# Altium PCB 28Pins_Project_V1[1_PCB..PcbDoc (part 2 of 2)
Units mm, origin at the board's own origin, x right, y up, seen from the top; angles counter-clockwise.
Board outline 71.12 x 53.34 mm, 2 copper layers (L1, L2), stack 1.671 mm thick; 106 components, 71 nets, 323 pads, 106 vias.
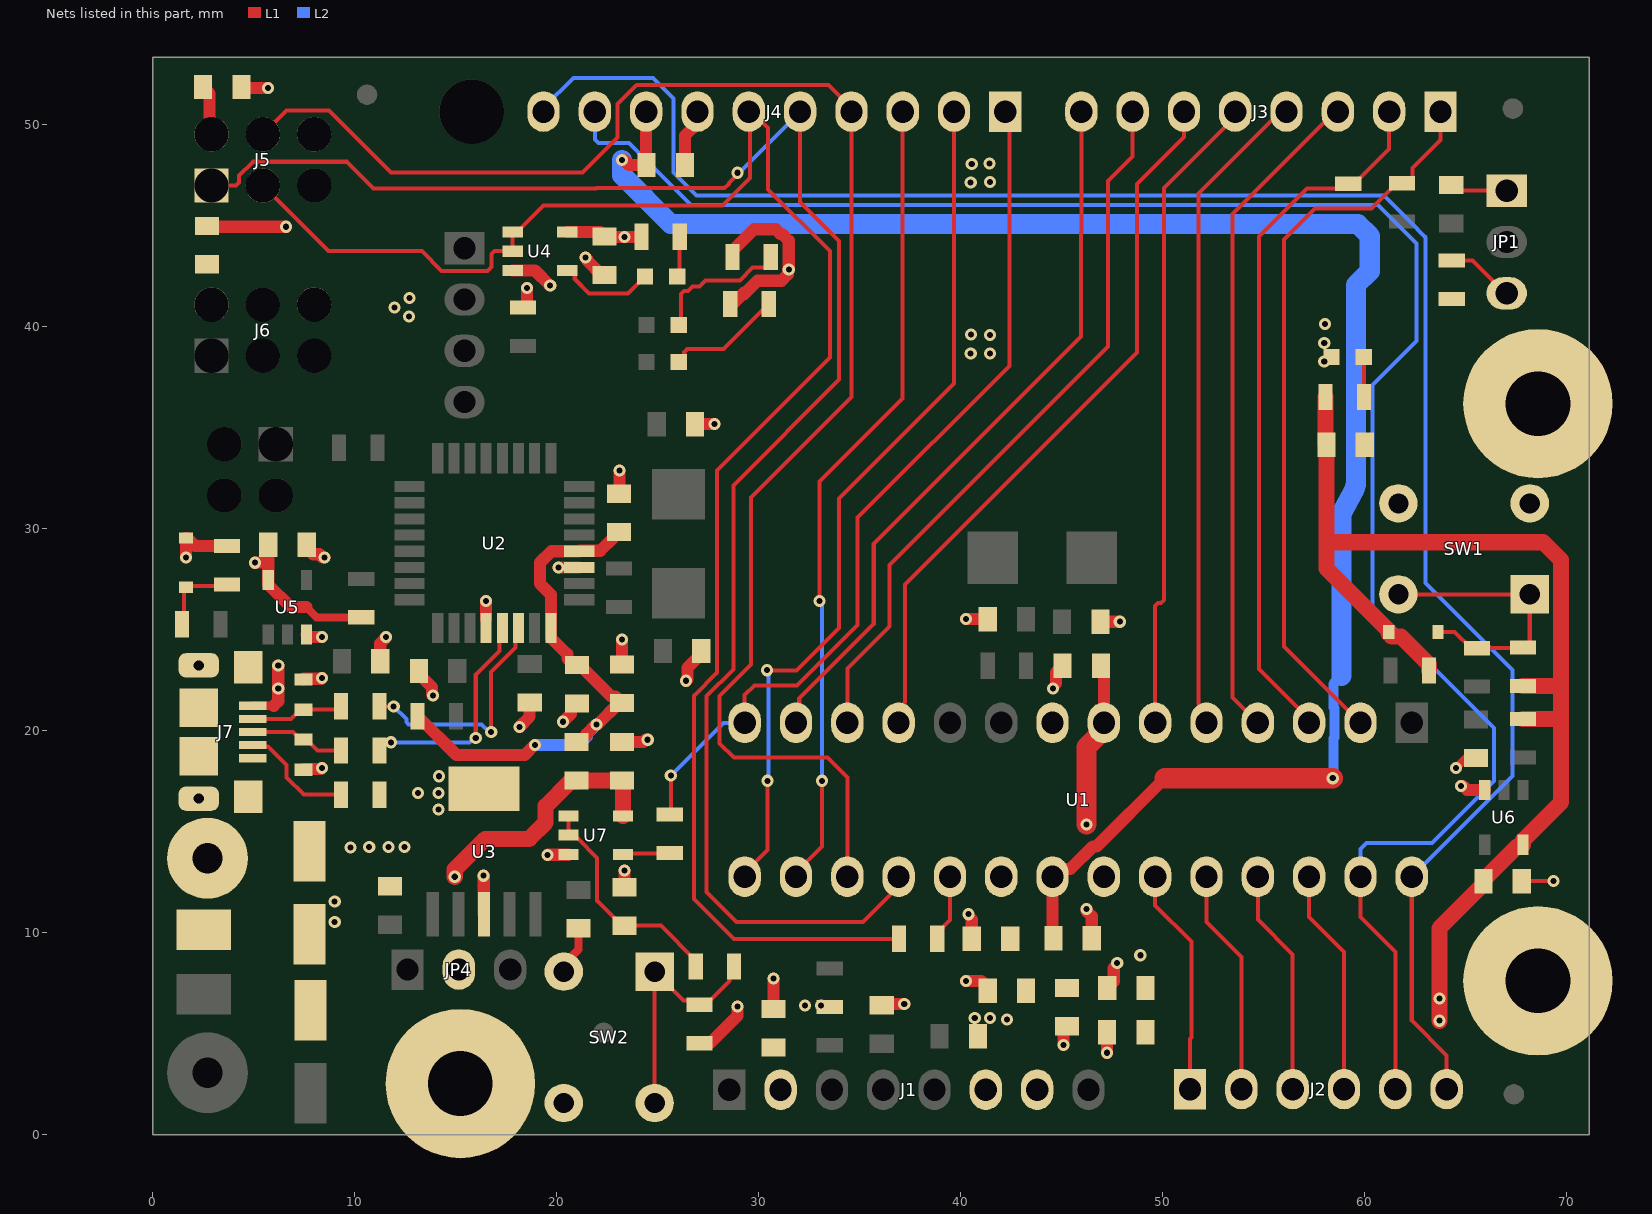
[diagram p2: the nets of this part, all layers, seen from the top]

## Via types
v1: diameter 0.6, hole 0.3, L1 to L2, tented both sides, 106 vias

## Nets (pads, with @x,y where several pads share a name; then routed paths per layer and width w, separated by ;. In a path a pad name is that pad's centre, name@x,y a point inside that pad or via, vN(x,y) a via of type N, cw(c..) or ccw(c..) an arc to the next point about the centre after c; other vN are vias at no path point) (continued)
+5V/3V3: C8.1 C15.1 C17.1 C26.1 C28.1 C29.1 C30.1 C34.1 D5.1 D6.1 FB1.1 FB2.1 FB3.1 J1.2 J5.2 J6.2 JP4.2 R1.2 R2.1 R3.1 R4.2 R14.2 R15.2 R17.2 R18.2 R19.2 R20.2 R21.2 R27.2 R28.1 U4.5 U5.5 U6.5 U7.5 | length 101.9
  L1 w0.4: 7.607,26.125 8.114,25.618 R4.2@10.338,25.618
  L1 w0.6: v1(1.651,28.575) D5.1@1.651,29.54 1.714,29.54 2.111,29.144 R19.2@3.683,29.144 ; C17.1@2.504,51.867 2.827,51.544 2.827,49.624 J5.2@2.921,49.53 ; v1(5.08,28.321) 5.095,28.336 5.73,28.336 ; C30.1@5.73,29.21 5.73,28.336 ; 7.607,26.125 6.841,26.125 5.73,27.236 U5.5@5.73,27.461 5.73,28.336 ; R1.2@18.339,40.955 18.542,41.158 v1(18.542,41.91) ; U4.5@20.527,44.689 22.149,44.689 C26.1@22.377,44.46 22.388,44.45 v1(23.368,44.45) R15.2@24.196,44.45 ; R21.2@27.076,4.536 27.126,4.586 27.65,4.586 28.956,5.893 v1(28.956,6.35) ; R3.1@28.665,41.08 29.275,41.69 29.275,41.607 29.943,42.275 31.132,42.275 31.45,42.593 31.45,42.795 v1(31.495,42.84) 31.495,44.262 31.157,44.6 31.075,44.6 30.849,44.826 29.776,44.826 28.7,43.75 R2.1@28.7,43.45 ; v1(45.085,4.445) 45.085,5.197 FB3.1@45.263,5.375 ; v1(47.244,4.064) 47.244,5.075 FB2.1@47.249,5.08
  L1 w0.8: v1(14.961,12.776) 14.961,13.136 16.476,14.651 18.648,14.651 19.458,15.461 19.458,16.27 20.68,17.491 20.93,17.491 FB1.1@20.98,17.541 C29.1@23.241,17.541 23.296,17.487 U7.5@23.296,15.784 ; R17.2@58.069,36.525 58.069,34.199 C34.1@58.105,34.163 58.105,29.337 ; R14.2@63.18,22.987 63.18,23.287 61.791,24.676 61.341,24.676 61.189,24.828 D6.1@61.189,24.892 61.189,24.956 58.105,28.039 58.105,29.337 ; v1(63.7,5.65) v1(63.7,6.75) 63.7,10.22 65.877,12.398 C28.1@65.877,12.548 65.877,12.698 65.927,12.748 66.023,12.748 67.537,14.262 67.743,14.262 U6.5@67.843,14.362 ; U6.5@67.843,14.587 69.723,16.467 69.723,20.574 ; R18.2@67.843,20.584 69.713,20.584 69.723,20.574 ; R20.2@67.843,22.215 69.713,22.215 69.723,22.225 ; 58.105,29.337 68.834,29.337 69.723,28.448 69.723,22.225 ; 69.723,20.574 69.723,22.225
  other v1: 32.3,6.4 33.1,6.4 12.7,40.513 11.975,40.95 12.725,41.425
+5V/3V3_16U2: C3.1 C4.1 C5.1 FB1.2 R26.2 U2.4 U2.32 | length 27
  L1 w0.6: R26.2@13.122,20.726 15.044,18.804 18.423,18.804 v1(18.923,19.304) ; FB1.2@20.98,19.441 21.13,19.441 21.479,19.789 21.479,19.828 v1(21.971,20.32) 22.034,20.32 23.091,21.377 C3.1@23.241,21.377 22.918,21.7 22.707,21.7 21.156,23.251 C4.1@21.006,23.251 20.856,23.251 20.533,23.574 20.533,23.795 19.716,24.611 U2.32@19.716,25.086 19.716,26.752 19.185,27.284 19.185,28.327 19.744,28.886 U2.4@21.116,28.886 21.141,28.911 22.165,28.911 22.789,29.535 22.789,29.685 22.939,29.835 C5.1@23.089,29.835
  L2 w0.6: v1(18.923,19.304) 21.082,19.304 21.493,19.715 21.493,19.835 21.971,20.312 v1(21.971,20.32)
+5V/3V3_328P_AVCC: C22.1 C23.1 FB3.2 U1.20
+5V/3V3_328P_VCC: C19.1 C20.1 FB2.2 U1.7 | length 8.3
  L1 w0.6: C20.1@46.949,23.216 47.092,23.073 U1.7@47.092,20.057
  L1 w1: v1(46.228,15.367) 46.228,19.193 U1.7@47.092,20.057
  other v1: 48.895,8.89
+5V_USB: C1.1 J7.1 L1.1 | length 3.1
  L1 w0.4: J7.1@4.961,21.241 6.001,21.241
  L1 w0.6: 6.001,21.241 6.223,21.463 v1(6.223,22.098) v1(6.223,23.241)
  other v1: 9.017,10.541 9.017,11.557
+AREF: C21.1 C24.1 J4.8 U1.21 | length 89.8
  L1 w0.6: v1(23.241,48.26) 23.335,48.26 23.589,48.006 C21.1@24.45,48.006 24.435,48.021 J4.8@24.435,50.648 J4.8@24.184,50.397 ; C24.1@44.592,9.728 44.552,9.769 U1.21@44.552,12.776 44.943,13.168 45.444,13.168 46.553,14.276 46.726,14.276 50.103,17.653
  L1 w1: 50.103,17.653 v1(58.42,17.653)
  L2 w0.5: v1(58.42,17.653) 58.439,17.672 58.439,17.743 58.45,17.754 58.45,19.627 58.502,19.678 58.502,21.114 58.45,21.166 58.45,22.325 58.85,22.725
  L2 w1: v1(23.241,48.26) 23.241,47.498 25.654,45.085 59.664,45.085 60.25,44.499 60.25,42.75 59.568,42.068 59.568,32.332 cw(c58.568,32.332) 59.448,31.856 58.85,30.75 58.85,22.725
AD0: J2.1 U1.23 | length 11.3
  L1 w0.2: U1.23@49.632,12.776 49.632,11.36 51.429,9.563 51.429,4.813 51.359,4.743 J2.1@51.359,2.261
AD1: J2.2 U1.24 | length 11.2
  L1 w0.2: U1.24@52.172,12.776 52.172,10.528 53.899,8.801 J2.2@53.899,2.261
AD2: J2.3 U1.25 | length 11.2
  L1 w0.2: U1.25@54.712,12.776 54.712,10.663 56.439,8.936 J2.3@56.439,2.261
AD3: J2.4 U1.26 | length 11.2
  L1 w0.2: U1.26@57.252,12.776 57.252,10.773 58.979,9.046 J2.4@58.979,2.261
AD4/SDA: J2.5 J4.9 U1.27 | length 94.8
  L1 w0.2: U1.27@59.792,12.776 59.792,10.783 61.519,9.056 J2.5@61.519,2.261
  L2 w0.2: J4.9@21.895,50.648 21.895,49.267 22.074,49.087 23.584,49.087 26.646,46.025 60.665,46.025 62.486,44.204 62.56,44.13 62.56,39.285 60.395,37.12 60.395,31.54 60.395,26.143 66.4,20.139 66.4,17.525 63.325,14.45 60.084,14.45 59.792,14.157 U1.27@59.792,12.776
AD5/SCL: J2.6 J4.10 U1.28 | length 96.6
  L1 w0.2: U1.28@62.332,12.776 62.332,5.65 64.059,3.923 J2.6@64.059,2.261
  L2 w0.2: J4.10@19.355,50.648 19.355,50.848 20.831,52.324 24.765,52.324 25.781,51.308 25.781,47.625 26.916,46.49 60.96,46.49 62.619,44.831 62.619,44.825 63.014,44.43 63.014,27.311 67.31,23.015 67.31,17.755 U1.28@62.332,12.776
BUTTON_RESETn: D6.2 R20.1 R24.1 SW1.1 SW1.2 | length 13.9
  L1 w0.2: SW1.2@61.672,26.757 SW1.1@68.172,26.757 68.172,24.338 67.949,24.115 R20.1@67.843,24.115 67.831,24.102 65.57,24.102 R24.1@65.557,24.089 65.257,24.089 64.455,24.892 D6.2@63.627,24.892
CON_USB_N: J7.2 R6.1 Z1.2 | length 4.6
  L1 w0.2: J7.2@4.961,20.591 6.865,20.591 7.318,21.043 Z1.2@7.468,21.043 9.171,21.043 R6.1@9.337,21.209
CON_USB_P: J7.3 R7.1 Z2.2 | length 4.8
  L1 w0.2: J7.3@4.961,19.941 6.948,19.941 7.318,19.571 Z2.2@7.468,19.571 7.618,19.571 8.164,19.025 R7.1@9.337,19.025
GND: 16.2 C1.2 C2.2 C3.2 C4.2 C5.2 C6.2 C7.1 C8.2 C9.1 C10.1 C12.2 C13.2 C14.2 C15.2 C17.2 C19.2 C20.2 C21.2 C22.2 C23.2 C24.2 C25.1 C26.2 C27.1 C28.2 C29.2 C30.2 C31.2 C32.2 C33.2 C34.2 D1.1 J1.6 J1.7 J4.7 J5.6 J6.6 J7.5 J7.6 J7.7 J7.8 J7.9 J7.10 J7.11 J9.1 MH1.1 MH2.1 MH3.1 R8.2 R12.1 SW1.3 SW1.4 SW2.3 SW2.4 U1.8 U1.22 U2.3 U2.28 U3.3 U3.6 U4.3 U5.3 U6.3 U7.3 Z1.1 Z2.1 | length 50.6
  L1 w0.2: v1(19.558,13.843) v1@19.578,13.863 ; U7.3@20.575,13.863 U7.3@20.596,13.884 ; C28.2@67.777,12.548 67.803,12.573 v1(69.342,12.573)
  L1 w0.4: SW2.3@20.356,8.076 20.356,8.45 21.082,9.176 C13.2@21.082,10.226 ; v1(64.516,18.161) 65.011,18.656 65.504,18.656 C32.2@65.507,18.659
  L1 w0.6: C8.2@2.692,44.994 2.736,44.95 v1(6.6,44.95) ; C17.2@4.404,51.867 4.455,51.816 v1(5.715,51.816) ; Z2.1@7.468,18.071 7.512,18.116 8.337,18.116 v1(8.382,18.161) ; Z1.1@7.468,22.543 7.499,22.575 8.351,22.575 v1(8.382,22.606) ; U5.3@7.63,24.761 7.753,24.638 v1(8.382,24.638) ; C30.2@7.63,29.21 7.63,29.06 7.953,28.737 8.253,28.737 8.415,28.575 v1(8.509,28.575) ; C31.2@11.273,23.444 11.273,24.329 11.557,24.614 v1(11.557,24.638) ; C7.1@13.183,23.112 C7.1@13.183,22.962 13.183,22.812 13.837,22.157 13.837,21.788 v1(13.875,21.75) ; v1(16.383,12.827) 16.396,12.814 16.396,10.934 U3.3@16.408,10.921 ; v1(16.51,26.416) 16.513,26.413 U2.28@16.513,25.536 ; U4.3@17.827,42.789 18.933,42.789 v1(19.685,42.037) ; v1(18.161,20.193) 18.669,20.701 C6.2@18.669,21.402 ; v1@19.578,13.863 U7.3@20.575,13.863 ; v1(20.1,28.075) 21.105,28.075 U2.3@21.116,28.086 ; v1(20.32,20.447) 20.706,20.833 20.706,21.201 20.856,21.351 C4.2@21.006,21.351 ; v1(21.425,43.425) 21.527,43.323 21.527,43.261 22.227,42.56 C26.2@22.377,42.56 ; C5.2@23.089,31.735 23.114,31.76 v1(23.114,32.893) ; C29.2@23.241,19.441 24.301,19.441 24.417,19.558 v1(24.511,19.558) ; C3.2@23.241,23.277 v1(23.241,24.511) ; C33.2@23.368,12.253 v1(23.368,13.081) ; C21.2@26.35,48.006 26.35,49.459 26.975,50.083 J4.7@26.975,50.648 ; v1(26.416,22.479) 26.482,22.545 26.482,23.122 27.163,23.802 C10.1@27.163,23.952 ; C9.1@26.858,35.179 v1(27.813,35.179) ; C15.2@30.734,6.223 v1(30.734,7.747) ; 16.2@36.093,6.411 36.159,6.477 v1(37.211,6.477) ; v1(40.259,7.62) 40.269,7.61 41.018,7.61 41.341,7.287 C22.2@41.341,7.137 ; v1(40.259,25.527) C25.1@41.341,25.527 ; C23.2@40.554,9.703 40.554,10.661 ; v1@44.726,22.341 44.726,22.893 C20.2@45.049,23.216 ; v1(46.228,11.176) 46.228,11.082 46.492,10.818 C24.2@46.492,9.728 ; C27.1@46.924,25.4 v1(47.879,25.4) ; C19.2@47.259,7.264 47.582,7.587 47.582,8.246 ; v1(64.77,17.272) 64.864,17.272 65.073,17.062 U6.3@65.943,17.062
  other v1: 42.291,5.715 40.7,5.775 41.45,5.775 47.752,8.509 40.386,10.922 9.8,14.225 10.725,14.25 11.675,14.25 12.475,14.25 14.15,16.1 13.15,16.925 14.15,16.925 14.175,17.75 44.577,22.098 58,38.275 40.5,38.675 41.45,38.675 58,39.2 41.45,39.6 40.513,39.624 58.039,40.132 40.5,47.15 41.45,47.175 40.55,48.05 41.425,48.075
IO0: J3.1 R10.2 U1.2 | length 37
  L1 w0.2: U1.2@59.792,20.396 56.015,24.173 56.015,44.315 57.553,45.853 60.331,45.853 61.326,46.848 61.326,46.879 61.549,47.102 62.149,47.102 62.372,47.325 62.372,47.859 63.754,49.241 J3.1@63.754,50.648
IO1: J3.2 R11.2 U1.3 | length 35.2
  L1 w0.2: U1.3@57.252,20.396 57.252,20.583 54.775,23.059 54.775,44.475 57.153,46.853 59.259,46.853 61.214,48.808 J3.2@61.214,50.648
IO2: J3.3 U1.4 | length 33
  L1 w0.2: U1.4@54.712,20.396 53.45,21.658 53.45,45.575 58.523,50.648 J3.3@58.674,50.648
IO3: J3.4 U1.5 | length 32.4
  L1 w0.2: U1.5@52.172,20.396 52.172,20.96 51.775,21.357 51.775,46.6 55.365,50.19 55.676,50.19 J3.4@56.134,50.648
IO4: J3.5 U1.6 | length 32
  L1 w0.2: U1.6@49.632,20.396 49.632,26.178 49.78,26.327 49.926,26.327 50.075,26.476 50.075,46.875 53.594,50.394 J3.5@53.594,50.648
IO5: J3.6 U1.11 | length 36.1
  L1 w0.2: U1.11@36.932,20.396 37.189,20.654 37.189,21.357 37.25,21.418 37.25,27.244 40.017,30.01 48.725,38.719 48.725,47.075 51.054,49.404 J3.6@51.054,50.648
IO6: J3.7 U1.12 | length 36.1
  L1 w0.2: U1.12@34.392,20.396 34.392,23.089 36.478,25.175 36.478,28.203 47.3,39.025 47.3,47.225 48.514,48.439 J3.7@48.514,50.648
IO7: J3.8 U1.13 | length 36.1
  L1 w0.2: U1.13@31.852,20.396 32.012,20.557 32.012,21.598 35.7,25.286 35.7,29.25 45.959,39.509 45.959,44.676 45.974,44.691 J3.8@45.974,50.648
IO8: J4.1 R22.2 U1.14 | length 43.7
  L1 w0.2: R22.2@25.603,15.86 25.654,15.911 v1(25.654,17.78) ; U1.14@29.312,20.396 29.312,21.777 29.787,22.252 31.904,22.252 34.9,25.248 34.9,30.55 42.418,38.068 42.418,50.444 J4.1@42.215,50.648
  L2 w0.2: v1(25.654,17.78) 28.27,20.396 U1.14@29.312,20.396
IO9: J4.2 U1.15 | length 43.1
  L1 w0.2: U1.15@29.312,12.776 29.312,12.976 30.439,14.103 v1(30.439,17.526) ; v1(30.425,23) 30.438,22.987 31.877,22.987 33.975,25.085 33.975,31.5 39.675,37.2 J4.2@39.675,50.648
  L2 w0.2: v1(30.425,23) 30.491,22.934 30.491,22.689 30.5,22.68 30.5,17.587 v1(30.439,17.526)
MISO: J4.5 J5.1 U1.18 | length 85.5
  L1 w0.2: J5.1@2.921,46.99 4.135,46.99 4.284,47.139 4.284,47.478 4.973,48.167 9.618,48.167 10.935,46.85 21.958,46.85 21.971,46.863 28.321,46.863 28.531,47.073 28.531,47.106 28.956,47.531 v1(28.956,47.625) ; J4.5@32.055,50.648 32.055,46.17 33.981,44.244 33.981,37.381 28.75,32.15 28.75,23.042 27.425,21.717 27.425,12.018 28.902,10.541 35.179,10.541 36.932,12.294 U1.18@36.932,12.776
  L2 w0.2: v1(28.956,47.625) 29.05,47.625 32.055,50.63 J4.5@32.055,50.648
MOSI: J4.4 J5.4 U1.17 | length 80.2
  L1 w0.2: J5.4@5.461,49.53 6.638,50.707 8.729,50.707 11.811,47.625 21.275,47.625 23.022,49.372 23.022,51.028 23.968,51.975 33.468,51.975 34.595,50.848 J4.4@34.595,50.648 34.595,36.52 29.625,31.55 29.625,23.275 28.075,21.725 28.075,19.375 28.781,18.669 33.401,18.669 34.392,17.678 U1.17@34.392,12.776
NetC11_1: C11.1 JP1.1 | length 2.9
  L1 w0.2: C11.1@64.287,47.01 64.562,46.736 JP1.1@67.031,46.736
NetD1_2: D1.2 R17.1 | length 2
  L1 w0.2: D1.2@59.957,38.506 59.969,38.494 R17.1@59.969,36.525
NetD2_1: D2.1 U4.4 | length 4.8
  L1 w0.2: U4.4@20.527,42.789 20.752,42.789 20.9,42.641 20.9,42.369 21.613,41.656 23.533,41.656 D2.1@24.371,42.494
NetD2_2: D2.2 R15.1 | length 2
  L1 w0.2: D2.2@25.971,42.494 26.096,42.619 R15.1@26.096,44.45
NetD3_2: D3.2 R2.2 | length 7
  L1 w0.2: D3.2@26.048,40.081 26.163,40.197 26.163,41.618 26.312,41.767 26.507,41.767 26.74,42 27.068,42 27.368,42.3 29.081,42.3 29.708,42.927 30.377,42.927 30.6,43.15 R2.2@30.6,43.45
NetD4_2: D4.2 R3.2 | length 5.8
  L1 w0.2: D4.2@26.048,38.252 26.321,38.525 26.321,38.751 26.469,38.9 28.275,38.9 R3.2@30.5,41.125
NetD5_2: D5.2 R19.1 R23.1 | length 4
  L1 w0.2: R23.1@1.463,25.273 1.557,25.367 1.557,27.008 D5.2@1.651,27.102 1.722,27.173 3.612,27.173 R19.1@3.683,27.244
NetJ7_4: J7.4 R8.1 | length 5.8
  L1 w0.2: J7.4@4.961,19.291 5.034,19.218 5.721,19.218 6.629,18.311 6.629,17.698 7.486,16.84 R8.1@9.337,16.84
NetJP1_3: JP1.3 R12.2 | length 3.4
  L1 w0.2: R12.2@64.313,43.282 65.344,43.282 66.969,41.656 JP1.3@67.031,41.656
NetR22_1: R22.1 U7.4 | length 2.3
  L1 w0.2: U7.4@23.296,13.884 23.334,13.922 25.565,13.922 R22.1@25.603,13.96
SCK: J4.6 J5.3 R13.2 U4.1 U4.2 | length 86.5
  L1 w0.2: J5.3@5.461,46.99 8.712,43.739 13.333,43.739 14.308,42.764 16.579,42.764 16.77,42.956 16.77,43.59 16.919,43.739 U4.2@17.827,43.739 U4.1@17.827,44.689 18.052,44.689 19.363,46 28.218,46 29.583,47.365 29.583,50.015 29.583,50.379 29.583,50.579 J4.6@29.515,50.648 29.677,50.648 30.475,49.85 30.475,46.8 33.527,43.748 33.527,38.48 27.94,32.893 27.94,22.874 26.8,21.734 26.8,11.681 28.778,9.703 R13.2@36.947,9.703
SKC_R: R13.1 U1.19 | length 3.3
  L1 w0.2: R13.1@38.847,9.703 38.847,10.003 39.472,10.628 U1.19@39.472,12.776
SS: J4.3 U1.16 | length 40.2
  L1 w0.2: U1.16@31.852,12.776 31.852,12.976 33.147,14.272 v1(33.147,17.526) ; v1(33.02,26.416) 33.02,32.345 37.135,36.46 J4.3@37.135,50.648
  L2 w0.2: v1(33.02,26.416) 33.02,26.322 33.147,26.195 v1(33.147,17.526)
USB_N: R6.2 U2.30 | length 11.8
  L1 w0.2: R6.2@11.237,21.209 v1(11.938,21.209) ; v1(16.764,19.939) 16.764,22.909 17.968,24.114 17.968,24.938 U2.30@18.116,25.086
  L2 w0.2: v1(11.938,21.209) 12.573,20.574 12.573,20.426 12.678,20.321 16.288,20.321 16.67,19.939 v1(16.764,19.939)
USB_P: R7.2 U2.29 | length 11.1
  L1 w0.2: R7.2@11.237,19.025 11.237,19.208 11.46,19.431 v1(11.811,19.431) ; v1(16,19.65) 16,22.787 17.168,23.956 17.168,24.938 U2.29@17.316,25.086
  L2 w0.2: v1(11.811,19.431) 15.687,19.431 15.906,19.65 v1(16,19.65)
USER_BUTTON: R21.1 R25.1 SW2.1 SW2.2 | length 12.2
  L1 w0.2: SW2.2@24.856,1.576 SW2.1@24.856,8.076 26.273,6.659 26.853,6.659 R21.1@27.076,6.436 27.376,6.436 28.565,7.625 28.565,8.108 R25.1@28.788,8.331
USER_BUTTON_BUF: C33.1 R25.2 U7.1 U7.2 | length 11.4
  L1 w0.2: U7.1@20.596,15.784 U7.2@20.596,14.834 20.744,14.686 21.031,14.686 22.009,13.708 22.009,11.589 22.895,10.703 22.895,10.676 23.218,10.353 25.167,10.353 26.888,8.631 R25.2@26.888,8.331
pads on no net: FID1.1 FID2.1 FID3.1 FID4.1 J1.1 J1.8 MH4.1 U2.5 U2.6 U2.7 U2.12 U2.14 U2.22 U2.23 U2.25 U2.26

## Polygon pours and split planes (outlines as drawn)
+5V/3V3 on L2 "+5V/3V3_L02_P004" (solid, pour order 4): 0.9,7.15 0.9,50.65 5.675,50.65 5.675,18.575 6.625,17.625 6.625,14.25 6.65,14.25 7.975,12.925 7.975,9.6 9.725,9.6 10.1,9.975 10.075,10 10.075,13.6 15.3,13.6 15.95,12.95 15.95,12.15 25.775,12.15 31.125,6.8 36.35,6.8 37.875,5.275 49.95,5.275 49.95,5.4 51.925,7.375 51.975,7.325 64.175,7.325 64.175,3.475 63.8,3.85 37.75,3.85 37.75,4.65 36.45,5.95 36.4,5.9 28.275,5.9 22.775,10.825 17.05,10.825 16.25,10.025 16.25,7.15 14.75,7.15 14.1,7.8 13.875,7.8 13.875,9.575 13.8,9.65 11.575,9.65 9.725,7.15 0.925,7.125
+3V3 on L2 "+3V3_L02_P002" (solid, pour order 2): 16.764,9.652 16.764,7.112 19.939,7.112 21.717,5.334 25.654,5.334 27.426,3.562 35.043,3.562 35.179,3.426 35.179,1.016 37.338,1.016 37.338,4.699 36.576,5.461 28.194,5.461 26.67,6.985 23.749,6.985 23.749,9.017 22.225,10.541 17.272,10.541
+5V on L2 "+5V_L02_P001" (solid, pour order 1): 0.889,0.381 0.889,0.762 0.889,6.604 8.001,6.604 8.128,6.731 8.255,6.604 9.949,6.604 11.8,9.2 13.425,9.2 13.425,6.858 19.685,6.858 21.59,4.953 25.527,4.953 27.051,3.429 27.051,1.016 37.719,1.016 37.719,3.302 39.751,3.302 39.751,0.381
GND on L2 "GND_L02_P007" (solid, pour order 7): 0.9,51 5.975,51 5.95,50.975 5.95,24.025 7.825,24.025 7.85,24 7.85,17.475 9.825,17.475 10.075,17.225 10.075,13.95 15.675,13.95 16.2,13.425 16.2,12.375 25.9,12.375 31.325,6.95 31.325,6.925 36.525,6.925 37.95,5.5 37.975,5.525 49.75,5.525 51.875,7.65 64.45,7.65 64.45,3.375 64.475,3.35 64.45,3.325 63.1,3.325 63.1,0.275 70.875,0.275 70.9,0.3 70.6,0.6 70.6,13.25 63.6,13.25 63.575,13.225 63.575,11.175 58.95,11.175 58.775,11.35 58.775,15.9 64,15.9 65.75,17.65 64.825,18.575 63.875,18.575 63.525,18.225 56.25,18.225 56.25,28.965 58.525,32.758 58.525,40.475 21.775,40.475 21.75,40.45 21.725,40.475 21.725,43.775 19.675,43.775 19.525,43.625 19.525,36.875 13.9,36.875 13.775,37 13.775,39.15 11.3,39.15 11.1,39.35 11.1,53.025 0.9,53.025
+5V/3V3_328P_VCC on L2 "+5V/3V3_328P_VCC_L02_P000" (solid, pour order 0): 45.95,15.675 45.95,15.1 46.15,15.1 48.025,13.225 48.025,9.325 48.825,8.525 51.175,8.525 50.8,8.9 50.825,8.925 50.825,15.675
GND on L2 "GND_L02_P006" (solid, pour order 6): 26.025,53.075 26.025,48.1 27.325,46.8 70.95,46.8 70.95,52.875 70.75,53.075
+5V/3V3 on L2 "+5V/3V3_L02_P005" (solid, pour order 5): 11.525,39.55 14.075,39.55 14.125,39.5 14.125,37.25 19.3,37.25 19.35,37.3 19.35,44.075 22.075,44.075 22.075,41.75 31.575,41.75 31.6,41.775 31.6,43.75 25.3,43.75 23.7,45.35 17.65,45.35 17.65,43.025 17.525,42.9 11.525,42.9
+5V_USB on L2 "+5V_USB_L02_P003" (solid, pour order 3): 5.715,23.749 7.62,23.749 7.62,17.145 9.652,17.145 9.652,10.16 8.255,10.16 8.255,13.462 6.985,14.732 6.985,17.907 5.715,19.177
GND on L1 "GND_L01_P022" (solid, pour order 22): 1.025,24.175 1.025,11.425 1.05,11.4 5.95,11.4 6.75,12.2 9.7,12.2 9.7,9.9 8.825,9.9 8.825,8.225 8.8,8.2 8.775,8.225 6.825,8.225 6.825,3.75 9.55,3.75 9.55,0.4 9.575,0.375 21.625,0.375 21.625,9.25 21.6,9.275 19.625,9.275 19.625,6.925 19.65,6.9 11.475,6.9 11.475,9.5 11.45,9.525 10.975,9.525 10.975,11.375 11.025,11.425 11.05,11.4 12.475,11.4 13.275,12.2 13.5,12.2 13.5,13.55 15.85,15.9 18.375,15.9 18.375,18.375 18.35,18.4 18.075,18.125 10.425,18.125 10.425,15.825 6.075,15.825 6.075,18.4 5.55,18.925 4.175,18.925 4.175,22.225 5.525,22.225 5.525,24.1 5.45,24.175
+3V3 on L1 "+3V3_L01_P011" (solid, pour order 11): 19.25,7.175 16.825,7.175 16.775,7.225 16.775,9.65 17.225,9.65 17.225,12.05 19.6,12.05 19.6,10.75 20.193,10.75 20.193,9.525 19.3,9.525 19.275,9.55 19.25,9.525
GND on L1 "GND_L01_P020" (solid, pour order 20): 57.575,40.85 57.575,37.475 57.55,37.45 57.575,37.425 59.375,37.425 59.375,39.175 59.35,39.2 60.55,39.2 60.55,35.15 60.525,35.125 59.225,35.125 59.225,30.175 70.725,30.175 70.725,40.15 70.7,40.175 65.2,40.175 65.2,41.9 65.175,41.925 63.55,41.925 63.55,40.9 63.575,40.875
+5V_USB on L1 "+5V_USB_L01_P010" (solid, pour order 10): 1.225,11.075 1.25,11.05 1.25,8.525 8.625,8.525 8.6,8.55 8.6,10.075 9.425,10.075 9.45,10.1 9.45,11.95 8.6,11.95 8.55,12 8.525,11.975 8.525,11.575 6.575,11.575 6.1,11.1 1.2,11.1
GND on L1 "GND_L01_P017" (solid, pour order 17): 40.35,1.075 44.625,1.075 44.625,3.3 42.675,5.25 42.675,6.275 40.35,6.275
+5V on L1 "+5V_L01_P012" (solid, pour order 12): 13.45,7.15 11.675,7.15 11.65,7.175 11.65,9.8 11.1,9.8 11.1,11.025 12.425,11.025 12.45,11 13.45,12 15.575,12 15.575,9.625 13.475,9.625 13.45,9.6
GND on L1 "GND_L01_P021" (solid, pour order 21): 40.175,38.275 41.825,38.275 41.825,48.375 40.175,48.375
+5V/3V3_328P_VCC on L1 "+5V/3V3_328P_VCC_L01_P019" (solid, pour order 19): 48.475,8.5 48.6,8.5 48.675,8.425 48.675,4.3 49.6,4.3 50.05,4.75 50.125,4.825 50.125,8.4 49.175,9.35 48.475,9.35
+5V/3V3_328P_AVCC on L1 "+5V/3V3_328P_AVCC_L01_P018" (solid, pour order 18): 41,13.85 41,11.65 41.675,11.65 41.85,11.475 41.85,8.95 42.125,8.95 42.725,8.35 42.725,6.475 43.8,6.475 43.775,6.5 43.775,6.725 45.925,6.725 45.95,6.75 45.95,7.825 43.4,7.825 43.4,10.525 43.075,10.525 43.075,13.85
+5V on L1 "+5V_L01_P016" (solid, pour order 16): 32.8,8.6 32.8,7.7 34.925,7.7 35.45,7.175 37.65,7.175 38.375,6.45 38.375,3.65 37.725,3.65 37.725,0.925 39.85,0.925 39.85,6.675 38.2,8.325 35.5,8.325 35.225,8.6
+3V3 on L1 "+3V3_L01_P015" (solid, pour order 15): 32.825,4.975 32.825,3.8 34.1,3.8 35.225,2.675 35.225,1.1 37.15,1.1 37.15,5 32.825,5
+5V/3V3 on L1 "+5V/3V3_L01_P014" (solid, pour order 14): 29.925,1.075 31.95,1.075 31.95,3.225 32.85,5.95 34.3,5.95 34.3,7.25 32.244,7.25 31.525,5.125 29.925,5.125
+5V/3V3 on L1 "+5V/3V3_L01_P013" (solid, pour order 13): 1.975,43.775 1.975,40.075 3.85,40.075 3.925,40.15 3.925,42.175 9.15,42.175 9.625,41.7 9.625,40.125 13.15,40.125 13.15,42.1 12,43.25 8.025,43.25 7.5,43.775
+5V on L1 "+5V_L01_P009" (solid, pour order 9): 0.95,0.475 8.725,0.475 8.75,0.475 8.75,0.7 8.75,3.45 5,3.45 4.55,3.9 4.55,7.575 1.025,7.575 0.95,7.5

## Other copper
L1:
  region: 54.458,22.149
  region: 54.458,22.149
  region: 54.458,22.149
L2:
  pour cut-out: 10.875,31 11.85,31 11.85,36.323 10.85,36.323 10.85,31.025

## Silkscreen, mask and mechanical layers (free items; w line width, h text height)
Top Overlay:
  text "ICSP" at 6.25,51.25 h1
  text "ICSP1" at 4.075,42.6 h1
  text "U" at 26.925,41.925 h1
  text "T" at 22.525,39.45 h1
  text "R" at 22.575,37.75 h1
  text "3" at 1.125,33.575 h1
  text "4" at 1.125,31.05 h1
  text "2" at 7.7,31 h1
  text "RESET" at 58.9,27.6 h1 r90
  text "5" at 40.075,22.25 h1 r90
  text "10" at 52.6,22.25 h1 r90
  text "14" at 29.725,22.225 h1 r90
  text "16" at 32.1,9.275 h1 r90
  text "25" at 57.8,8.95 h1 r90
  text "USER" at 21.025,2.75 h1 r90
Bottom Overlay:
  drawing of 500 lines, arcs and shapes, not listed
  text "ARD/DF" at 67.537,52 h1.2 r90
  text "4" at 54.425,49.175 h2.2 r90
  text "6-" at 49.174,49.15 h2.2 r90
  text "5-" at 51.674,49.125 h2.2 r90
  text "2" at 59.425,49.125 h2.2 r90
  text "1" at 61.925,49.125 h2.2 r90
  text "0" at 64.649,49.125 h2.2 r90
  text "9-" at 40.399,49.075 h2.2 r90
  text "7" at 46.75,49.075 h2.2 r90
  text "11-" at 35.175,49.05 h2.2 r90
  text "8" at 42.899,49.05 h2.2 r90
  text "3-" at 56.974,49.05 h2.2 r90
  text "12-" at 32.55,49 h2.2 r90
  text "10-" at 37.949,49 h2.2 r90
  text "GND" at 27.749,48.95 h2.2 r90
  text "13-" at 30.199,48.95 h2.2 r90
  text "AD4/SDA" at 22.674,48.925 h2.2 r90
  text "AREF" at 25.017,48.823 h2.2 r90
  text "AD5/SCL" at 20.024,48.75 h2.2 r90
  text "dW/PROG/ISP" at 13.933,48.614 h2.2 r90
  text "TX(OUT)" at 61.86,46.875 h2.2 r90
  text "RX(IN)" at 64.71,46.85 h2.2 r90
  text "BOARD VARIANT" at 11.651,35 h2 r90
  text "CUSTOM" at 18.926,31.725 h2 r90
  text "FIXED 5V" at 14.135,31.689 h2 r90
  text "5V / 3V3" at 16.651,31.65 h2 r90
  text "MODBOX" at 67.051,24.1 h2 r90
  text "A" at 69.275,23.675 h2 r90
  text "B" at 69.275,21.5 h2 r90
  text "IO" at 16.149,19.425 h2.2 r90
  text "C" at 69.253,19.35 h2 r90
  text "+5V INPUT POWER" at 6.724,18.825 h2.2 r90
  text "D" at 69.25,17.05 h2 r90
  text "3.3V" at 18.299,15.225 h2.2 r90
  text "5V" at 13.924,15.2 h2.2 r90
  text "E" at 69.3,15.15 h2 r90
  text "F" at 69.325,13.15 h2 r90
  text "-" at 3.485,11.2 h4 r90
  text "RESET" at 34.374,10.275 h2.2 r90
  text "3.3/5V" at 31.824,9.45 h2.2 r90
  text "+3.3V" at 36.999,8.95 h2.2 r90
  text "+" at 3.67,8.325 h4 r90
  text "GND" at 41.999,8.225 h2.2 r90
  text "GND" at 44.549,8.05 h2.2 r90
  text "+5V" at 39.549,7.4 h2.2 r90
  text "NC" at 29.201,6.55 h2.2 r90
  text "NC" at 47.026,6.4 h2.2 r90
  text "A4" at 62.175,6.4 h2.2 r90
  text "A2" at 57.075,6.325 h2.2 r90
  text "A3" at 59.674,6.325 h2.2 r90
  text "A0" at 51.949,6.15 h2.2 r90
  text "A1" at 54.525,6.15 h2.2 r90
  text "A5" at 66.899,3.7 h2.2 r90
Mechanical Drawing:
  circle w1.016: c68.58,36.195 r1.6
  circle w1.016: c68.58,7.62 r1.6
  circle w1.016: c15.24,2.54 r1.6
  circle w1.016: c15.799,50.648 r1.6
  lines w1.016: -0.076,53.34 -0.076,0 71.12,0 71.12,53.34 0,53.34
  text "Mechanical Drawing" at 0.776,68.567 h3.5
  text "of 28Pins" at 7.507,62.371 h3.5
  text ".versionrevision" at 42.661,62.32 h3.5
  text "Units: Mils" at -32.918,-14.63 h2.03
  text "Scale: 1:1" at -32.969,-18.288 h2.03
Manufacturing Notes:
  lines w0.254: -0.476,-55 92.024,-55 ; -0.476,-54.925 -0.476,-44.925 ; -0.476,-35 92.024,-35 ; 39.524,-45 39.524,-35 ; 74.524,-35 74.524,-27.5 ; 92.024,-54.925 92.024,-44.925 ; -0.476,-45 -0.476,-27.5 92.024,-27.5 92.024,-45 -0.476,-45
  text "Files" at 0.024,107.5 h1.52
  text "Board info" at 107.524,107.5 h1.52
  text "*.GTO - Top Overlay" at 0.024,105 h1.52
  text "Minimum Track: 200um" at 107.524,105 h1.52
  text "*.GTP - Top Paste" at 0.024,102.5 h1.52
  text "Minimum Gap: 200um" at 107.524,102.5 h1.52
  text "*.GTS - Top Solder" at 0.024,100 h1.52
  text "Minimum Through Hole VIA: 0.6mm (pad) / 0.3mm (drill). Drilling: L1-L2" at 107.524,100 h1.52
  text "*.GTL - L1 (Positive)" at 0.024,97.5 h1.52
  text "*.GBL - L2 (Positive)" at 0.024,95 h1.52
  text "1. FINISHED PANEL THICKNESS IS NOT CRITICAL: TO BE APPROXIMATELY 1.6mm" at 107.524,95 h1.52
  text "*.GBS - Bottom Solder" at 0.024,92.5 h1.52
  text "*.GBO - Bottom Overlay" at 0.024,90 h1.52
  text "2. BOARD FINISH: IMMERSION Au/ELECTROLESS Ni; 0.05-0.12 um GOLD; 3-6um NICKEL" at 107.524,90 h1.52
  text "*.GM2 - Mechanical Drawing" at 0.024,87.5 h1.52
  text "*.GM3 - Manufacturing Notes" at 0.024,85 h1.52
  text "3. SOLDER RESIST: APPLY TO BOTH SIDES COLOUR - BLUE" at 107.524,85 h1.52
  text "*.GM4 - Licence" at 0.024,82.5 h1.52
  text "*.GM28 - Board Outline" at 0.024,80 h1.52
  text "4. COMPONENT IDENT: COLOUR TO BE WHITE" at 107.524,80 h1.52
  text "5. PANELIZE THE BOARD (4PCS PER PANEL). PLACE FIDUCIALS ON THE PANEL STRIPS AS FOLLOWS:" at 107.524,75 h1.52
  text "- FIDUCIAL DIAMTER 1-1.5MM, SOLDER MASK OPENING AT LEAST 1MM GREATER THAN FIDUCIAL" at 112.524,72.5 h1.52
  text "- MINIMUM 4MM DISTANCE FROM THE PANEL EDGE" at 112.524,70 h1.52
  text "- 3 FIDUCIALS SHOULD LIE ON TWO LINES THAT INTERSECT AT A RIGHT ANGLE" at 112.524,67.5 h1.52
  text "- PLACE ONE FIDUCIAL INTO EACH PANEL CORNER (FOUR ON THE TOP LAYER)" at 112.524,65 h1.52
  text "28Pins" at 5.024,-32.5 h3
  text ".VersionRevision" at 77.024,-32.5 h3
  text "Copyright 2015" at 4.524,-40 h1.52
  text "Designed by FEDEVEL" at 44.524,-40 h1.52
  text "FEDEVEL" at 4.524,-42.5 h1.52
  text "www.fedevel.com" at 44.524,-42.5 h1.52
  text "Contact:" at 4.524,-50 h1.52
  text "robert.feranec@fedevel.com" at 19.524,-50 h1.52
License:
  text "LICENCE" at 106.151,50.61 h1.52
  text "AUTHOR: FEDEVEL 2015" at 106.351,46.11 h1.52
  text "WEBSITE: http://www.28pins.com" at 106.351,43.61 h1.52
  text "This is a human-readable summary of the licence. Read full licence at:" at 106.351,38.61 h1.52
  text "https://creativecommons.org/licenses/by-sa/3.0/legalcode" at 106.351,36.11 h1.52
  text "You are free to:" at 106.351,31.11 h1.52
  text "Share - copy and redistribute the material in any medium or format" at 106.351,28.61 h1.52
  text "Adapt - remix, transform, and build upon the material" at 106.351,26.11 h1.52
  text "for any purpose, even commercially." at 106.351,23.61 h1.52
  text "The licensor cannot revoke these freedoms as long as you follow the license terms." at 106.351,18.61 h1.52
  text "Under the following terms:" at 106.351,13.61 h1.52
  text "Attribution - You must give appropriate credit, provide a link to the license, and" at 106.351,11.11 h1.52
  text "indicate if changes were made. You may do so in any reasonable manner, but not in any" at 106.351,8.61 h1.52
  text "way that suggests the licensor endorses you or your use." at 106.351,6.11 h1.52
  text "ShareAlike - If you remix, transform, or build upon the material, you must distribute your" at 106.405,1.232 h1.52
  text "contributions under the same license as the original." at 106.405,-1.268 h1.52
  text "No additional restrictions - You may not apply legal terms or technological measures" at 106.151,-6.99 h1.52
  text "that legally restrict others from doing anything the license permits." at 106.151,-9.49 h1.52
  text "Notices:" at 106.151,-14.49 h1.52
  text "You do not have to comply with the license for elements of the material in the public domain or where" at 106.151,-16.99 h1.52
  text "your use is permitted by an applicable exception or limitation." at 106.151,-19.49 h1.52
  text "No warranties are given. The license may not give you all of the permissions necessary for your" at 106.151,-24.49 h1.52
  text "intended use. For example, other rights such as publicity, privacy, or moral rights may limit how you" at 106.151,-26.99 h1.52
  text "use the material." at 106.151,-29.49 h1.52
  text "Based on Arduino: http://www.arduino.cc/" at 106.151,-34.49 h1.52
Botton Board:
  lines w0.3: -0.076,53.34 71.12,53.34 71.12,0 0,0 ; 0,0.254 0,53.34
ASM Top:
  text "Assembly TOP of 28Pins" at 19.824,59.36 h1.52
  text ".versionrevision" at 53.047,59.36 h1.52
  text ".variantname" at 29.254,56.254 h1.52
  text "R11" at 58.95,46.675 h0.6 r270
  text "R10" at 61.6,46.55 h0.6 r270
  text "R15" at 24.475,44.025 h0.6
  text "R2" at 29.3,43.125 h0.6
  text "R12" at 63.95,42.85 h0.6 r270
  text "R3" at 29.125,40.75 h0.6
  text "R1" at 18,39.625 h0.6
  text "R17" at 58.4,36.075 h0.6
  text "R5" at 9.725,33.7 h0.6
  text "SW1" at 63.4,28.5 h1.52
  text "R19" at 3.05,27.775 h0.6
  text "D5" at 1.9,27.725 h0.6 r90
  text "R9" at 23.4,26.55 h0.6 r90
  text "R23" at 1.85,25 h0.6
  text "D6" at 61.9,24.5 h0.6
  text "R24" at 65.225,23.55 h0.6 r270
  text "R16" at 42.1,23.1 h0.6
  text "R6" at 9.9,20.9 h0.6
  text "R26" at 13.475,20.225 h0.6
  text "R7" at 9.9,18.75 h0.6
  text "R8" at 9.9,16.55 h0.6
  text "R22" at 25.75,14.325 h0.6 r90
  text "R13" at 37.425,9.4 h0.6
  text "R25" at 27.225,8.025 h0.6
  text "R27" at 32.725,7.65 h0.6
  text "R28" at 32.775,4.55 h0.6
  text "SW2" at 21.35,4.4 h1

## Dimensions
-0.076,0 to -0.076,53.34 on Mechanical Drawing
68.58,7.62 to -0.076,0 on Mechanical Drawing
-0.076,0 to 67.031,46.736 on Mechanical Drawing
-0.076,0 to 63.754,50.648 on Mechanical Drawing
-0.076,0 to 51.359,2.261 on Mechanical Drawing
-0.076,0 to 42.215,50.648 on Mechanical Drawing
-0.076,0 to 28.55,2.235 on Mechanical Drawing
-0.076,0 to 15.799,50.648 on Mechanical Drawing
-0.076,0 to 2.921,38.557 on Mechanical Drawing
-0.076,0 to 2.718,3.073 on Mechanical Drawing
-0.076,0 to 15.24,0.94 on Mechanical Drawing
-0.254,0 to 15.799,50.648 on Mechanical Drawing
-0.254,0 to 2.921,38.557 on Mechanical Drawing
-0.254,0 to 68.58,36.195 on Mechanical Drawing
0,0 to 0.381,23.444 on Mechanical Drawing
0,0 to 2.718,13.691 on Mechanical Drawing
-0.076,0 to 51.359,2.261 on Mechanical Drawing
-0.076,0 to 71.12,0 on Mechanical Drawing

## Text inside footprints (layer, text, board x,y; h text height)
J1: Top Overlay "1" at 25.908,1.016 h1.52
J2: Top Overlay "1" at 52.225,-0.15 h1.52 r90
J3: Top Overlay "1" at 64.75,52.175 h1.52 r90
J4: Top Overlay "1" at 43.05,52.125 h1.52 r90
J5: Top Overlay "1" at 0.889,46.355 h1
J6: Top Overlay "1" at 0.954,38.129 h1
JP1: Top Overlay "1" at 68.7,46.2 h1
JP2: Top Overlay "1" at 7.754,33.579 h1
JP3: Top Overlay "1" at 12.65,42.85 h1.52
JP4: Top Overlay "1" at 10.375,7.525 h1